# KiCad board PC110.kicad_pcb (continued)
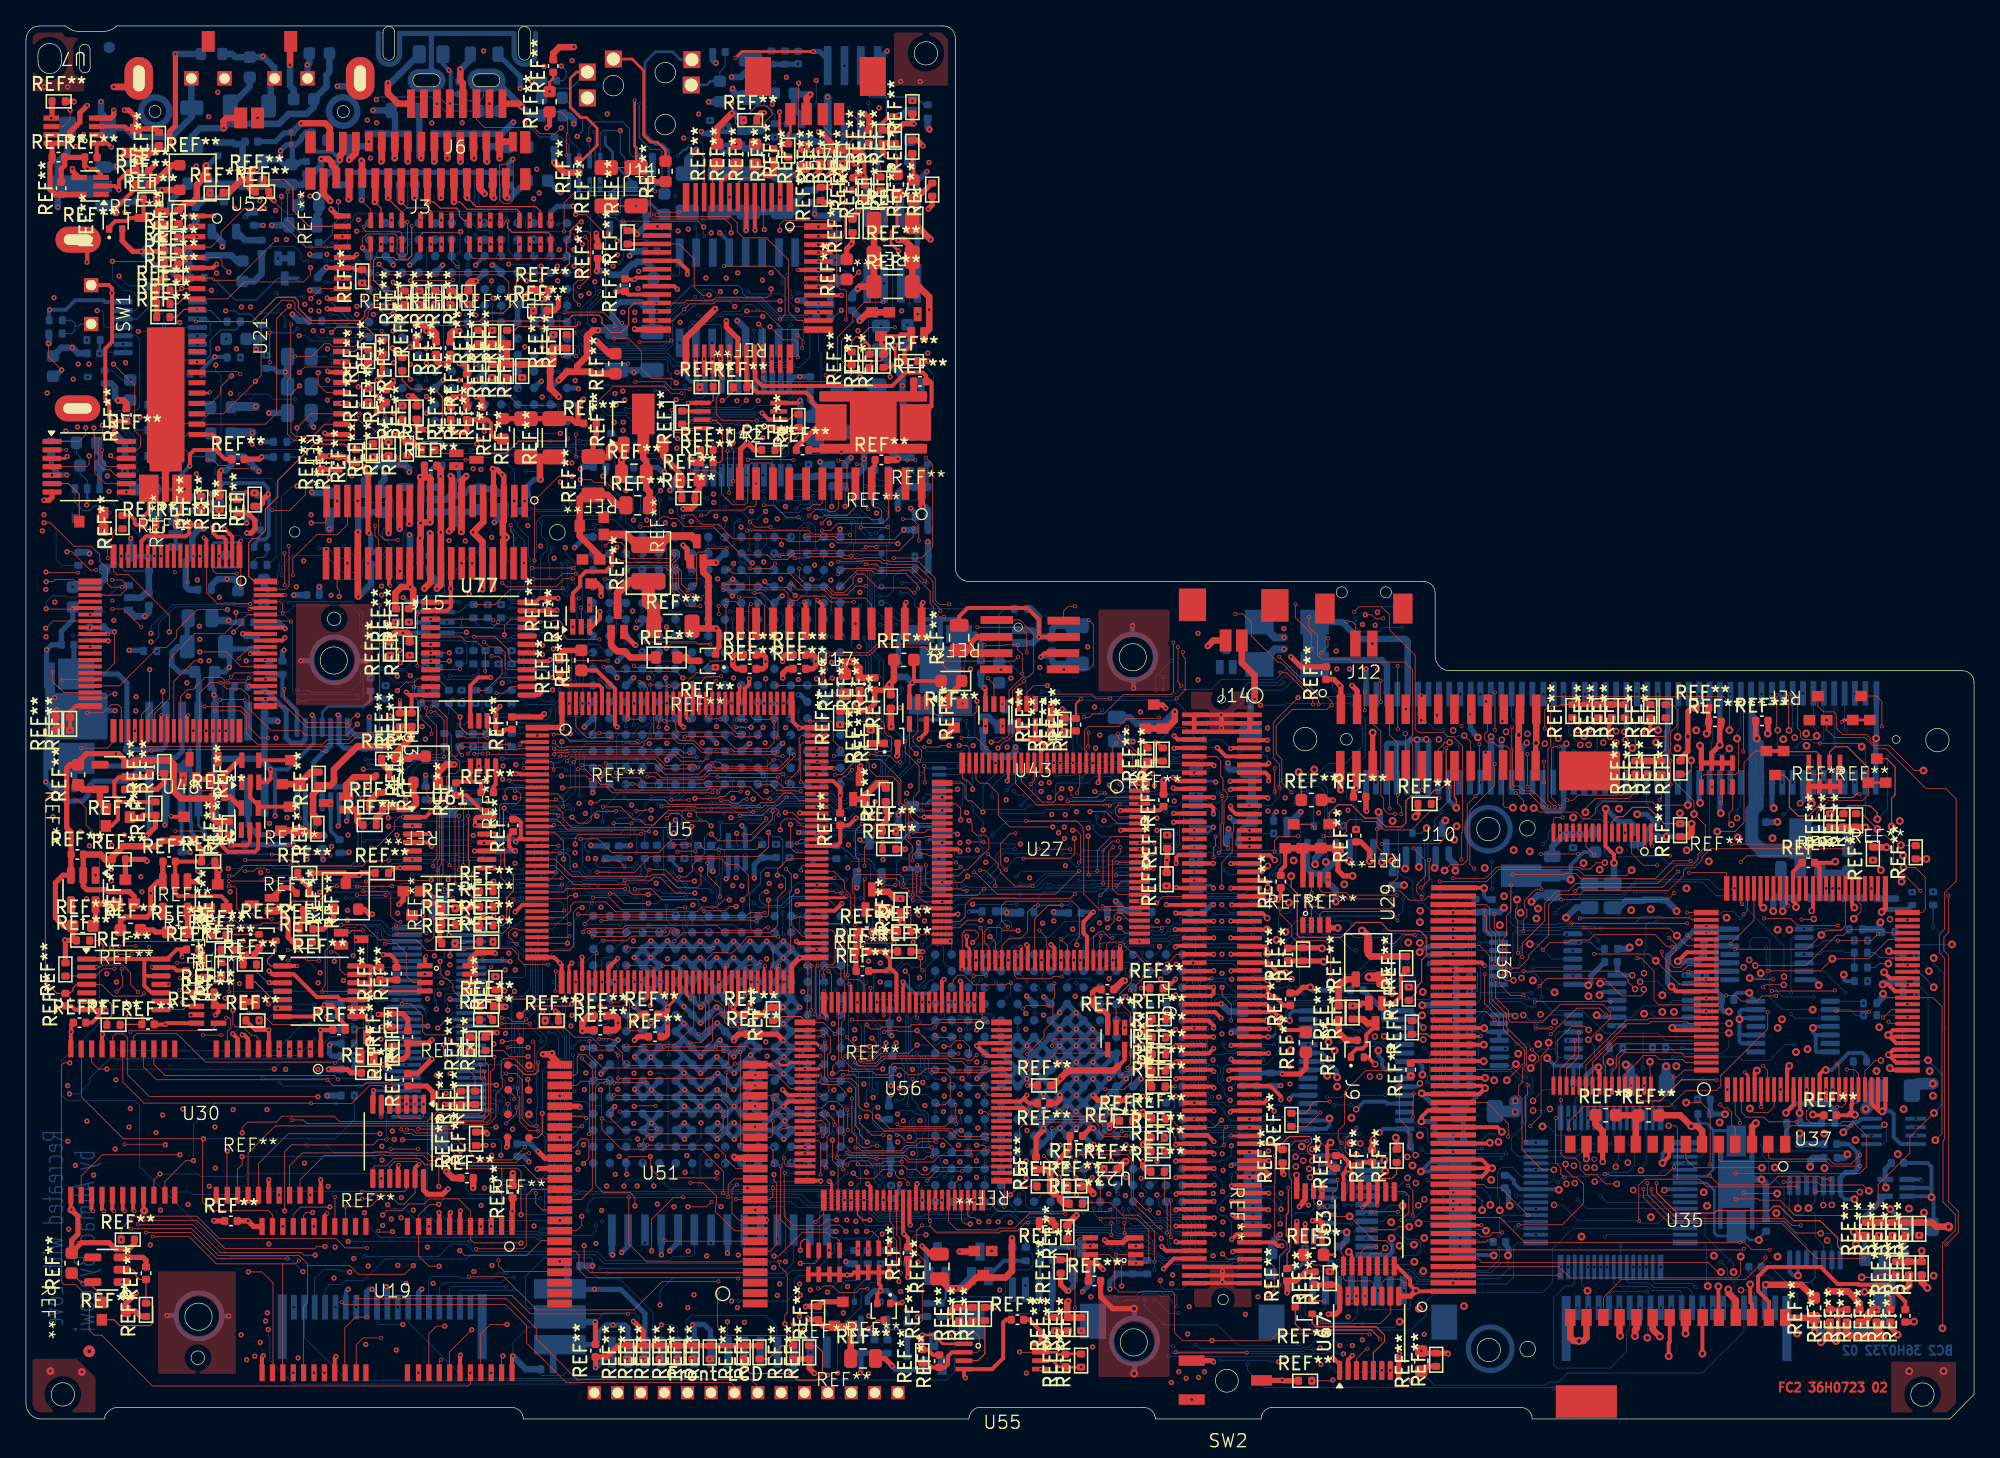
[diagram p0: board, top side]
## Routing (per net, layer and track width the routed paths; a pad name or vN(x,y) marks a point on that pad's centre or on a via; arc(x,y) is an arc through that point) (continued)
LCD_VSS: length 34.7
  FC2 w0.5: v1(23.44,93.87) 22.92,94.39 22.92,95.63 J3.1 ; v1(30.44,97.15) 30.44,98.42 J3.16 ; J3.30 J3.28 36.48,98.42 v1(36.48,97.14) ; v1(35.34,94.42) 34.96,94.8 J3.25 ; v1(25.84,96.97) 25.88,96.93 25.88,95.67 J3.7
  IC1 w0.05: 23.44,95.06 23.51,95.13
  IC1 w0.5: v1(25.84,96.97) 25.84,95.54 ; v1(23.44,93.87) 23.44,95.06
  IC1 w0.7: 30.48,96.37 29.65,95.54 29.48,95.54 ; 30.48,96.37 31.31,95.54 31.33,95.54 ; 30.48,96.37 30.48,95.54 ; 30.48,96.37 30.48,97.11 v1(30.44,97.15) ; 35.45,95.54 35.32,95.41 35.32,94.44 v1(35.34,94.42) ; 35.45,95.54 36.09,95.54 36.48,95.93 v1(36.48,97.14) ; 35.45,95.54 31.33,95.54 ; 30.48,95.54 29.48,95.54 ; 30.48,95.54 31.33,95.54 ; 29.48,95.54 23.92,95.54 23.51,95.13
  BC2 w0.5: REF**#714.1 30.3,100.8 30.3,97.29 v1(30.44,97.15)
M38_COM0: length 110.9
  FC2 w0.05: U48.77 19.58,62.99 19.78,62.79 v2(19.78,62.12)
  FC1 w0.05: v1(18.08,42.11) 17.64,42.55 17.64,44.72 17.76,44.84 17.76,56.28 17.26,56.78 17.03,56.78 16.84,56.97 16.84,57.61 17.55,58.32 17.55,60.53 19.14,62.12 v2(19.78,62.12)
  IC3 w0.05: v1(18.46,7.55) 19.52,7.55 20.79,6.28 26.76,6.28 26.8,6.24 26.94,6.24 27.17,6.01 38.07,6.01 38.9,5.18 44.66,5.18 45.14,4.7 65.41,4.7 66.07,4.04 66.07,3.12 U50.14
  IC4 w0.05: v1(18.08,42.11) 18.02,42.05 18.02,7.71 18.18,7.55 v1(18.46,7.55)
M38_COM1: length 108.7
  FC2 w0.2: U48.76 17.3,62.49 v2(17.22,62.41)
  FC1 w0.05: v2(17.22,62.41) 20.77,62.41 21.63,61.55 21.63,53.88 22.52,52.99 22.52,47.65 23.24,46.93 25.45,46.93 26.5,45.88 26.5,45.23 27.08,44.65 27.08,39.63 27.33,39.38 27.33,38.24 26.54,37.45 26.54,33.72 25.52,32.7 25.52,25.55 25.38,25.41 25.38,20.21 25.64,19.95 25.64,17.76 25.5,17.62 25.5,15.04 25.99,14.55 25.99,6.49 26.17,6.31 v1(26.17,5.74)
  IC3 w0.05: U50.13 65.37,3.97 64.86,4.48 44.95,4.48 44.46,4.97 38.61,4.97 37.79,5.79 26.22,5.79 v1(26.17,5.74)
M38_COM2: length 106.2
  FC2 w0.05: v1(15.99,60.64) 16.64,61.29 16.64,61.57 17.06,61.99 U48.75
  IC2 w0.05: v1(15.99,60.64) 15.99,58.61 16.78,57.82 16.78,45.06 17.45,44.39 17.45,41.79 18.04,41.2 v1(18.04,5.9)
  IC3 w0.05: v1(18.04,5.9) 20.74,5.9 23.71,2.93 41.98,2.93 42.14,3.09 42.18,3.09 42.38,3.29 45.05,3.29 45.06,3.3 58.05,3.3 58.46,2.89 62.7,2.89 U50.12
M38_COM3: length 102.5
  FC2 w0.05: U48.74 20.36,61.49 v2(20.4,61.45)
  FC1 w0.05: U50.11 61.77,2.8 61.54,3.03 38.63,3.03 38.56,2.96 27.39,2.96 25.81,4.54 25.81,14.15 25.31,14.65 25.31,17.73 25.45,17.87 25.45,19.76 25.16,20.05 25.16,25.52 25.33,25.69 25.33,32.89 26.3,33.86 26.3,37.56 27.14,38.4 27.14,39.21 26.87,39.48 26.87,44.54 26.32,45.09 26.32,45.67 25.27,46.72 22.12,46.72 20.47,48.37 20.47,59.2 20.78,59.51 20.78,61.07 v2(20.4,61.45)
M38_P02: length 27.3
  FC2 w0.3: v2(12.49,54.22) 12.39,54.12 U48.52
  FC1 w0.05: v1(14.1,58.43) 14.1,57.1 13.2,56.2 12.35,56.2 12.17,56.02 12.17,55.36 12.49,55.04 v2(12.49,54.22)
  BC1 w0.05: v1(14.1,58.43) 15.33,57.2 19.84,57.2 v11(20.88,56.16)
  BC2 w0.05: v11(20.88,56.16) 21.77,56.16 21.93,56 24.95,56 25.77,56.82 25.77,57.47 26.19,57.89 28.34,57.89 28.54,57.69 29.2,57.69 v1(29.6,57.29)
  BC2 w0.08: v1(29.6,57.29) 29.93,56.96 29.93,55.66 REF**#469.1
M38_P03: length 32.9
  FC2 w0.05: U48.51 11.89,55.66 12.45,56.22 12.87,56.22 13.78,57.13 15.08,57.13 15.26,56.95 15.26,56.46 15.46,56.26 16.62,56.26 17.18,55.7 17.18,54.74 18.85,53.07 21.13,53.07 21.5,52.7 24.69,52.7 v1(25.53,53.54)
  BC1 w0.05: v11(31.07,56.16) 30.97,56.06 30.97,53.17 30.3,52.5 v11(30.3,51.77) ; v1(25.53,53.54) 26.16,52.91 v11(26.16,50.83)
  BC2 w0.05: v11(26.16,50.83) 27.98,50.83 28.17,51.02 28.17,51.57 28.37,51.77 v11(30.3,51.77)
  BC2 w0.2: v11(31.07,56.16) REF**#474.2
M38_P04: length 33.5
  FC2 w0.05: U48.50 11.39,56.84 12.98,58.43 v1(13.45,58.43)
  BC1 w0.05: v11(20.94,55.33) 14.29,55.33 13.45,56.17 v1(13.45,58.43)
  BC2 w0.05: v11(20.94,55.33) 21.59,55.33 21.73,55.47 25.72,55.47 25.96,55.71 25.96,57.35 26.32,57.71 27.49,57.71 28.47,56.73 29.42,56.73 29.75,56.4 29.75,54.8 30.43,54.12 32.36,54.12 32.58,54.34 REF**#860.1
M38_P05: length 38.8
  FC2 w0.2: U48.49 10.89,54.14 v2(10.96,54.21)
  FC1 w0.05: v1(9.63,60.55) 9.98,60.55 10.2,60.33 10.2,54.97 v2(10.96,54.21)
  BC2 w0.05: v1(9.63,60.55) 9.63,61.08 11.31,62.76 15.09,62.76 15.23,62.9 16.08,62.9 16.15,62.83 17.25,62.83 17.46,63.04 17.46,63.22 17.72,63.48 19.4,63.48 19.91,62.97 25.09,62.97 25.94,62.12 25.94,60.69 26.72,59.91 30.17,59.91 30.27,60.01 33.6,60.01 33.96,59.65 33.96,58.27 33.88,58.19 REF**#789.1
M38_P06: length 35
  FC2 w0.2: U48.48 10.39,54.21 v2(10.44,54.26)
  FC1 w0.05: v1(9.63,59.89) 9.63,59.42 9.98,59.07 9.98,54.72 v2(10.44,54.26)
  BC2 w0.05: v1(9.63,59.89) 9.86,59.89 10.2,60.23 10.2,61.3 11.48,62.58 15.15,62.58 15.3,62.73 15.99,62.73 16.09,62.63 17.11,62.63 17.56,62.18 20.19,62.18 20.72,62.71 24.98,62.71 25.71,61.98 25.71,60.6 26.57,59.74 30.95,59.74 31.29,59.4 31.29,58.4 31.77,57.92 REF**#629.1
M38_P10: length 122.9
  FC2 w0.05: v1(10.54,56.08) 10.54,55.32 9.39,54.17 U48.46
  IC1 w0.05: v1(10.54,56.08) 9.43,54.97 9.43,47.64 8.78,46.99 6.81,46.99 5.13,45.31 5.13,45.04 2.33,42.24 2.33,14.07 12.82,3.58 40.59,3.58 42.88,5.87 65.31,5.87 v1(67.81,8.37)
  BC2 w0.4: v1(67.81,8.37) 67.89,8.29 REF**#490.2
M38_P11: length 150.1
  FC2 w0.05: v1(9.53,57.75) 9.53,54.93 8.89,54.29 U48.45
  FC2 w0.5: v1(80.92,15.69) 80.21,14.98 REF**#425.2
  IC1 w0.05: 11.36,3.08 11.98,2.45 41.15,2.45 43.42,4.72 77.08,4.72 80.92,8.56 v1(80.92,15.69) ; 11.36,3.08 1.22,13.21 1.22,44.62 2.96,46.36 2.96,50.53 5.1,52.67 5.1,57.14 5.71,57.75 v1(9.53,57.75) ; 11.36,3.08 11.34,3.09
M38_P12: length 125.3
  FC1 w0.05: v2(8.39,53.04) 8.09,53.35 8.09,55.26 v1(8.49,55.66)
  IC1 w0.05: 9.02,54.57 9.02,54.53 ; 9.02,54.57 9.02,48.48 8.15,47.61 5.77,47.61 3.62,45.46 3.62,44.44 1.94,42.76 1.94,13.78 12.52,3.2 40.74,3.2 42.98,5.44 68.59,5.44 69.53,6.38 69.53,7.05 68.71,7.87 v1(68.66,7.87) ; 9.02,54.57 9.02,54.67 8.49,55.2 v1(8.49,55.66)
  BC2 w0.05: v1(68.66,7.87) 68.68,7.89
  BC2 w0.4: 68.68,7.89 REF**#519.1
M38_P13: length 131.6
  FC2 w0.05: v2(6.99,32.92) 7.45,33.38 7.45,34.08 7.39,34.14 7.39,34.18 7.37,34.2 v2(7.37,34.67) ; v2(8.45,36.46) 8.44,36.45 v2(7.16,36.45) ; U48.43 7.89,51.7 8.15,51.44 v2(9.25,51.44)
  FC1 w0.05: v2(7.16,36.45) 7.37,36.24 v2(7.37,34.67) ; v2(6.99,32.92) 6.28,32.92 5.5,32.14 5.5,20.99 9.76,16.73 9.76,14.61 14.92,9.45 14.92,6.16 16.49,4.59 16.97,4.59 v1(17,4.56) ; v2(8.45,36.46) 8.45,36.86 8.32,36.99 8.32,49.24 9.11,50.03 9.48,50.03 9.95,50.5 9.95,51.61 9.7,51.86 9.39,51.86 9.25,51.72 v2(9.25,51.44)
  BC1 w0.05: v1(17,4.56) 17,3.93 17.85,3.08 57.11,3.08 v11(57.12,3.07)
  BC2 w0.05: v11(57.12,3.07) 57.7,3.07 57.77,3 70.93,3 71.5,3.57 71.5,9.17 71.74,9.41 75.11,9.41 75.47,9.77 75.47,11.25 75.71,11.49 77.25,11.49 77.56,11.8 77.56,12.66 REF**#514.2
  BC2 w0.08: v1(76.97,14.19) 77.01,14.15
  BC2 w0.2: 77.01,14.15 REF**#514.2
M38_P14: length 138.7
  FC2 w0.05: U48.42 7.34,54.8 7.08,55.06 6.57,55.06 5.93,54.42 v2(4.71,54.42)
  FC1 w0.05: v1(5.21,18.79) 5.21,23.84 5.01,24.04 5.01,32.48 4.03,33.46 4.03,37.8 2.97,38.86 2.97,44.84 4.22,46.09 4.22,48.26 4.07,48.41 4.07,49.84 3.6,50.31 3.6,51.84 4.71,52.95 v2(4.71,54.42)
  IC3 w0.05: v1(5.21,18.79) 9.16,14.84 26.22,14.84 26.96,14.1 38.58,14.1 39.92,12.76 44.24,12.76 46.84,15.36 54.47,15.36 55.49,16.38 87.43,16.38 88.08,15.73 89.19,15.73 89.84,15.08 92.11,15.08 v1(92.2,15.17)
  BC1 w0.05: v11(94.51,18.34) 94.51,17.78 93.43,16.7 93.43,15.53 93.07,15.17 v1(92.2,15.17)
M38_P15: length 162.3
  FC2 w0.05: U48.41 6.74,52.18 6.26,51.7 v2(4.26,51.7)
  FC1 w0.05: v2(4.26,51.7) 4.26,48.51 4.5,48.27 4.5,46.05 3.18,44.73 3.18,39.06 4.28,37.96 4.28,34.02 5.09,33.21 6.51,33.21 v1(6.97,33.67)
  IC2 w0.05: v1(63.28,10.21) 64.13,10.21 65.3,11.38 65.3,14.33 66.54,15.57 70.7,15.57 71.66,14.61 76.48,14.61 77.12,15.25 79.48,15.25 81.34,13.39 84.71,13.39 85.33,12.77 85.33,10.16 86.4,9.09 88.62,9.09 90.42,7.29 94.15,7.29 95.65,8.79 v1(95.65,9.54) ; v1(24.45,33.79) 24.49,33.75 24.49,32.74 24.33,32.58 24.33,15.34 29.22,10.45 v1(29.28,10.45)
  IC3 w0.05: v1(29.28,10.45) 29.79,10.96 31.88,10.96 32.32,10.52 37.61,10.52 37.96,10.87 57.12,10.87 57.35,11.1 61.25,11.1 62.14,10.21 v1(63.28,10.21) ; v1(24.45,33.79) 23.17,35.07 21.73,35.07 19.77,33.11 18.33,33.11 16.63,34.81 8.11,34.81 v1(6.97,33.67)
  BC1 w0.05: v11(99.22,17.26) 99.81,17.85 99.81,19.21 v11(100.23,19.64)
  BC2 w0.05: v11(99.22,17.26) 99.22,16.25 98.85,15.88 97.79,15.88 97.47,15.56 97.47,13.31 96.57,12.41 96.57,9.72 96.38,9.53 95.66,9.53 v1(95.65,9.54)
M38_P16: length 139.4
  FC2 w0.05: v2(3.77,47.7) 4.02,47.7 4.63,47.09 4.63,45.77 5.39,45.01 v1(7.57,45.01)
  FC2 w0.3: v2(3.4,53.06) REF**#192.2 3.4,54.5 3.84,54.94 U48.40
  FC1 w0.05: v2(3.4,53.06) 3.36,53.02 3.36,48.11 v2(3.77,47.7)
  IC3 w0.05: v3(106.47,36.71) 105.59,36.71 105.25,36.37 100.59,36.37 99.9,37.06 98.6,37.06 97.48,38.18 94.39,38.18 93.97,37.76 90.43,37.76 89.8,37.13 86.71,37.13 86.55,36.97 81.48,36.97 81.44,37.01 79.93,37.01 79.41,37.53 77.13,37.53 76.8,37.2 76.13,37.2 75.4,37.93 71.56,37.93 69.38,40.11 66.09,40.11 63.78,37.8 46.15,37.8 45.98,37.97 38.83,37.97 38.55,38.25 30.43,38.25 29.97,38.71 29.97,39.98 25.37,44.58 24.13,44.58 23.92,44.79 19.93,44.79 18.4,43.26 11.8,43.26 11.4,43.66 8.12,43.66 7.57,44.21 v1(7.57,45.01)
  BC1 w0.05: v11(112.03,49.06) 112.03,49.06 110.79,47.83 110.79,46.9 110.49,46.6 109.9,46.6 109.74,46.76 v11(109.11,46.76) ; v3(106.47,36.71) 106.47,39.04 107.03,39.6 v11(108.3,39.6)
  BC2 w0.05: v11(109.11,46.76) 108.48,46.13 108.48,44.83 107.98,44.33 107.98,41.83 108.3,41.51 v11(108.3,39.6)
M38_P17: length 132.6
  FC2 w0.05: U48.39 6.16,55.54 6.49,55.87 v1(6.85,55.87)
  FC1 w0.05: v1(75,9.94) 75,12.33 v2(74.38,12.95)
  IC1 w0.05: v1(6.85,55.87) 8.09,54.64 8.09,49.11 8.1,49.09 7.17,48.16 5.7,48.16 1.8,44.26 1.8,13.65 12.4,3.05 40.88,3.05 43.09,5.26 68.67,5.26 70.19,6.78 70.19,7.94 72.19,9.94 v1(75,9.94)
M38_P20: length 40
  FC2 w0.05: v2(2.05,57.56) 2.05,56.83 2.46,56.42 2.5,56.42 2.93,55.99 U48.38
  FC1 w0.05: v1(21.96,69.68) 21.96,70.26 22.44,70.74 v2(23.96,70.74) ; v1(1.26,68.44) 1.26,66.6 3.01,64.85 3.01,58.9 2.05,57.94 v2(2.05,57.56)
  IC3 w0.05: v1(21.96,69.68) 9.54,69.68 8.35,68.49 1.31,68.49 v1(1.26,68.44)
M38_P21: length 25
  FC2 w0.05: v1(24.13,63.39) 24.13,63.87 24.01,63.99 24.01,64.03 23.96,64.08 J15.39 ; v1(15.52,62.37) 13.2,62.37 11.59,60.76 11.59,60.22 10.81,59.44 10.15,59.44 7.2,56.49 U48.37
  IC3 w0.05: v1(15.52,62.37) 15.86,62.71 18.9,62.71 19.11,62.92 19.15,62.92 19.23,63 23.74,63 v1(24.13,63.39)
M38_P22: length 147.9
  FC2 w0.05: U48.36 2.83,56.99 v2(2.76,56.92) ; 2.31,53.4 2.28,53.37
  FC2 w0.3: v2(2.84,53.4) 2.31,53.4
  FC2 w0.4: v2(2.37,54.67) 2.28,54.58 REF**#351.2 REF**#351.1
  FC1 w0.05: v2(2.76,56.92) 2.76,55.06 v2(2.37,54.67) ; v1(3.21,25.69) 3.21,26.4 2.89,26.72 2.89,35.44 2.2,36.13 2.2,45.38 2.88,46.06 2.88,53.36 v2(2.84,53.4)
  IC3 w0.05: v1(3.21,25.69) 26.35,25.69 26.56,25.9 27.6,25.9 27.8,25.7 33.93,25.7 34.64,24.99 40.41,24.99 40.59,24.81 40.63,24.81 40.64,24.8 52.67,24.8 52.68,24.79 64.11,24.79 64.96,25.64 64.96,26.67 65.71,27.42 69.2,27.42 69.41,27.21 72.01,27.21 72.51,26.71 88.41,26.71 89.82,28.12 92.18,28.12 92.32,28.26 94.26,28.26 94.83,27.69 96.83,27.69 97.03,27.89 98.4,27.89 99.36,26.93 99.36,26.62 100.03,25.95 100.65,25.95 v3(100.99,25.61)
  BC1 w0.05: v3(100.99,25.61) 101.01,25.59 101.01,24.67 101.1,24.58 101.1,21.05 100.81,20.76 100.81,16.31 v11(100.23,15.74)
M38_P23: length 5.7
  FC2 w0.05: U48.35 6.08,57.49 6.82,58.23 6.82,60.66 v1(6.83,60.66)
  BC2 w0.08: 6.81,60.68 v1(6.83,60.66)
  BC2 w0.4: REF**#707.1 6.06,61.01 6.39,60.68 6.81,60.68
M38_P27: length 156.5
  FC2 w0.05: v2(4.03,65.22) 1.59,65.22 v1(1.54,65.27)
  FC1 w0.05: v2(4.03,65.22) 4.38,64.87 4.38,60.05 v2(4.94,59.49)
  IC2 w0.05: v1(3.81,19.54) 3.81,29.32 3.94,29.45 3.94,30.14 3.87,30.21 3.87,62.94 v1(1.54,65.27)
  IC3 w0.05: v1(96.68,17.39) 96.3,17.39 95.78,17.91 94.94,17.91 94.08,18.77 90.56,18.77 89.82,18.03 86.39,18.03 86.33,17.97 85.48,17.97 85.42,18.03 74.86,18.03 73.99,17.16 52.5,17.16 51.32,15.98 46.14,15.98 44.9,17.22 33.36,17.22 33.29,17.15 32.16,17.15 32.01,17.3 29.38,17.3 29.12,17.56 24.45,17.56 24.05,17.16 8.11,17.16 5.73,19.54 v1(3.81,19.54)
  BC1 w0.05: v11(100.23,18.34) 100.23,17.81 99.36,16.94 97.13,16.94 v1(96.68,17.39)
M38_P34: length 120.6
  FC1 w0.05: v1(13.39,60.08) 13.93,60.08 14.75,59.26 14.75,56.49 15.39,55.85 v2(15.39,53.04)
  IC3 w0.05: v1(13.39,60.08) 17.42,60.08 19.37,62.03 21.22,62.03 22.74,60.51 28.34,60.51 28.72,60.13 34.18,60.13 36.57,57.74 41.05,57.74 42.55,56.24 64.83,56.24 65.83,57.24 68.67,57.24 68.88,57.03 73.98,57.03 74.54,57.59 76.15,57.59 78.08,55.66 80.45,55.66 81.84,54.27 85,54.27 85.95,53.32 91.42,53.32 91.94,52.8 93.14,52.8 95.09,54.75 v1(95.09,55.01)
  BC1 w0.05: v11(10.08,59.18) 10.78,59.88 11.39,59.88 11.59,60.08 v1(13.39,60.08) ; v11(102.12,55.12) 104.59,55.12 106.22,53.49 108.74,53.49 109.55,54.3 112.23,54.3 112.83,54.9 v11(112.83,55.86)
  BC2 w0.05: v11(102.12,55.12) 97.06,55.12 96.95,55.01 v1(95.09,55.01)
M38_P35: length 137.5
  FC2 w0.05: v2(16.03,36.77) 16.02,36.78 v2(14.81,36.78) ; v2(16.03,35.51) 16.01,35.49 v1(16.01,32.29)
  FC1 w0.05: v2(16.03,36.77) v2(16.03,35.51) ; v2(14.81,36.78) 14.81,37.24 14.92,37.35 14.92,38.86 14.51,39.27 14.51,41.4 14.28,41.63 14.28,51.63 14.89,52.24 v2(14.89,53.04)
  IC3 w0.05: v5(103.9,29.47) 103.36,29.47 100.97,31.86 96.13,31.86 95.85,31.58 91.63,31.58 89.29,29.24 87.03,29.24 85.75,27.96 72.96,27.96 72.85,27.85 70.67,27.85 70.5,28.02 64.35,28.02 63.71,28.66 56.65,28.66 56.54,28.78 44.65,28.78 43.28,30.14 43.28,32.13 42.71,32.7 40.19,32.7 38.65,31.16 29.9,31.16 28.56,32.5 27.02,32.5 26.68,32.84 16.56,32.84 v1(16.01,32.29)
  BC1 w0.05: v5(103.9,29.47) 103.9,29.02 104.07,28.85 104.38,28.85 106.23,27 107.75,27 108.26,26.49 108.26,18 107.99,17.73 106.6,17.73 v11(106.23,17.36)
  BC2 w0.05: v11(106.23,17.36) 105.77,17.36 105.6,17.19 U14.20
M38_P36: length 127.1
  FC1 w0.05: v2(14.39,53.04) 14.39,52.29 14.1,52 14.1,41.4 14.29,41.21 14.29,37.39 14.19,37.29 14.19,35.05 13.37,34.23 13.37,30.82 14.33,29.86 14.33,24.9 15.39,23.84 v1(15.96,23.84)
  IC3 w0.05: v5(102.78,21.22) 102.07,21.93 96.91,21.93 96.81,21.83 95.88,21.83 95.27,22.44 94.02,22.44 93.74,22.72 90.35,22.72 90.06,22.43 84.22,22.43 83.62,21.83 68.73,21.83 68.14,22.42 47.76,22.42 47.45,22.73 47.45,23.15 47.13,23.47 47.06,23.47 47.05,23.46 46.45,23.46 46.42,23.43 46.39,23.43 45.92,22.96 39.23,22.96 38.84,23.35 16.45,23.35 v1(15.96,23.84)
  BC2 w0.05: v5(102.78,21.22) 102.23,21.77 101.58,21.77 101.16,21.35 101.16,20.85 101.45,20.56 101.45,20.38 101.44,20.37 101.44,19.1 102.05,18.49 U14.22
M38_P41: length 61.8
  FC2 w0.05: U48.23 7.28,63.49 7.73,63.94 7.73,64.3 7.37,64.66 v4(6.64,64.66)
  FC1 w0.05: v2(57.86,55.15) 57.86,55.56 57.24,56.18 54.71,56.18 54.5,56.39 v1(54.5,57.11)
  IC3 w0.05: v1(54.5,57.11) 52.9,58.71 47.41,58.71 45.93,60.19 43.05,60.19 41.84,61.4 41.8,61.4 41.71,61.49 40.2,61.49 39.93,61.22 34.87,61.22 34.58,61.51 28.38,61.51 25.29,64.6 21.72,64.6 20.2,66.12 11.59,66.12 10.13,64.66 v4(6.64,64.66)
M38_P43: length 68.9
  FC2 w0.05: v1(1.55,64.52) 2.07,64.52 2.24,64.69 3.67,64.69 3.82,64.54 U48.21
  FC1 w0.05: v2(58.36,55.15) 58.36,56.48 58.71,56.83 58.71,59.06 v1(58.2,59.57)
  IC3 w0.05: 51.28,59.97 52.21,59.04 57.67,59.04 v1(58.2,59.57) ; 51.28,59.97 47.67,59.97 47.21,60.43 46.61,60.43 46.41,60.63 43.17,60.63 42.11,61.69 31.35,61.69 27.99,65.05 21.68,65.05 20.44,66.29 11.43,66.29 10.49,65.35 2.45,65.35 1.62,64.52 v1(1.55,64.52) ; 51.28,59.97 51.3,59.97
M38_P44: length 178.2
  FC2 w0.05: v1(11.04,60.65) 11.04,61.94 7.9,65.08 7,65.08 6.74,65.34 U48.20
  IC1 w0.05: v1(16.57,6.48) 16.64,6.55 22.46,6.55 23.93,8.02 52.78,8.02 53.76,7.04 57.76,7.04 58.08,6.72 59.16,6.72 59.48,6.4 62.03,6.4 64.71,9.08 64.71,9.73 65.57,10.59 v1(67.23,10.59)
  IC2 w0.05: v1(67.23,10.59) 67.23,11.08 67.25,11.1 66.89,11.46 66.89,14.68 67.62,15.41 70.31,15.41 71.34,14.38 76.52,14.38 77.23,15.09 79.36,15.09 81.24,13.21 83.15,13.21 84,12.36 84,9.39 84.47,8.93 85.7,8.93 85.73,8.89 85.89,8.89 89.3,5.48 v1(99.68,5.48) ; v1(16.57,6.48) 16.57,16.88 14.8,18.65 12.54,18.65 11.29,19.9 11.29,36.27 12.35,37.33 12.35,46.41 11.19,47.57 11.19,60.5 v1(11.04,60.65)
  BC1 w0.05: v11(101.57,16.48) 101.57,15.98 100.1,14.51 100.1,10.17 99.68,9.75 v1(99.68,5.48)
  BC2 w0.05: v11(101.57,16.48) 101.63,16.54 U14.19
M38_P45: length 7.7
  FC1 w0.05: v2(13.5,70.09) 11.78,70.09 8.9,67.21 7.93,67.21 7.34,66.62 v2(7.34,66.49)
M38_P46: length 141
  FC2 w0.05: v2(63.78,62.96) 62,62.96 61.55,63.41 59.72,63.41 59.39,63.08 58.92,63.08 58.7,63.3 58.7,63.6 58.41,63.89 v2(53.72,63.89) ; v2(7.4,64.1) 6.54,64.1 6.26,64.38 6.26,65.53 5.69,66.1 5.69,66.6 5.03,67.26 3.69,67.26 1.87,69.08 1.4,69.08 v1(1.39,69.07) ; v2(64.68,65.87) 65.52,65.87 65.77,65.62 68.19,65.62 v2(69.26,64.55) ; v2(42.17,65.58) 38.98,65.58 v2(38.97,65.59) ; v2(44.58,64.71) 45.35,64.71 46.39,65.75 49.44,65.75 50.07,65.12 50.07,63.95 50.85,63.17 v2(51.95,63.17)
  FC1 w0.05: v2(51.95,63.17) 53,63.17 v2(53.72,63.89) ; v1(102.94,61.22) 102.92,61.24 102.23,61.24 102.17,61.18 102.16,61.19 98.42,61.19 97.66,61.95 97.09,61.95 96.96,62.08 94.35,62.08 93.66,61.39 92.33,61.39 92.13,61.59 82.65,61.59 82.35,61.29 75.47,61.29 74.89,60.71 73.17,60.71 72.47,61.41 70.66,61.41 69.73,62.34 69.73,64.08 v2(69.26,64.55) ; v2(63.78,62.96) 63.78,64.97 v2(64.68,65.87) ; v2(42.17,65.58) 42.54,65.58 43.41,64.71 v2(44.58,64.71) ; v2(7.4,64.1) 7.4,65.47 7.89,65.96 v2(7.89,66.49) 8.25,66.49 9.24,65.5 11.95,65.5 12.8,64.65 12.8,64.43 13.12,64.11 15.8,64.11 16.33,64.64 20.92,64.64 21.28,65 27.73,65 27.86,65.13 28.09,65.13 28.61,65.65 30.87,65.65 31.48,65.04 36.64,65.04 37.19,65.59 38.91,65.59 38.95,65.63
  BC1 w0.05: v11(112.03,55.86) 112.03,54.69 111.87,54.53 109.41,54.53 108.58,53.7 106.62,53.7 102.61,57.71 102.61,60.89 v1(102.94,61.22)
  BC2 w0.05: v1(1.39,69.07) 1.84,69.07 2.32,68.59 2.32,66.23 2.77,65.78 REF**#591.2
M38_P50: length 14.1
  FC2 w0.3: U48.16 8.89,67.65 9.26,68.02 10,68.02 ; 10,68.02 12.31,68.02 12.57,68.28 REF**#294.2 13.4,68.91 v1(13.7,68.61) ; 10,68.02 10,68.21 9.99,68.22 REF**#107.2
  BC2 w0.5: REF**#497.2 12.59,63.9 12.32,64.17 12.32,66.08 12.82,66.58 12.82,68.05 13.38,68.61 v1(13.7,68.61)
M38_P51: length 7
  FC1 w0.05: v2(14.91,70.09) 13.85,69.03 12.01,69.03 10.54,67.56 10.48,67.56 v2(9.39,66.47)
M38_P52: length 19.9
  FC2 w0.05: v2(20.56,65.02) 20.56,66.31 22.4,68.15 24,68.15 24.76,68.91 J15.18
  FC1 w0.05: v2(20.56,65.02) 17.39,65.02 17.17,64.8 16.13,64.8 15.65,65.28 12.95,65.28 12.19,66.04 10.34,66.04 v2(9.89,66.49)
M38_P53: length 15.1
  FC1 w0.05: v2(24.76,65.94) 24.02,65.94 23.46,65.38 21,65.38 20.9,65.48 13.11,65.48 12.1,66.49 v2(10.39,66.49)
M38_P57: length 49.8
  FC2 w0.05: v2(14.96,55.43) 16.81,55.43 v2(16.85,55.39) ; v2(16.89,43.07) 20.66,43.07 21.13,42.6 25.92,42.6 26.36,43.04 v2(27.95,43.04) ; U48.9 12.46,66.42 v2(12.46,64.47)
  FC1 w0.05: v1(27.91,46.33) 28.33,46.33 28.56,46.1 28.56,45.76 27.95,45.15 v2(27.95,43.04) ; v2(16.85,55.39) 16.85,43.11 v2(16.89,43.07) ; v2(12.46,64.47) 12.46,60.17 13.1,59.53 13.75,59.53 14.59,58.69 14.59,56.24 14.96,55.87 v2(14.96,55.43)
  BC2 w0.05: REF**#502.3 34.36,47.24 34.08,46.96 34.08,46.59 33.56,46.07 28.99,46.07 28.73,46.33 v1(27.91,46.33)
M38_P60: length 37.9
  FC1 w0.05: v2(12.89,66.49) 13.44,67.04 15.46,67.04 16.23,67.81 16.23,70.76 16.62,71.15 16.62,76.31 17.08,76.77 31.45,76.77 33.8,74.42 36.28,74.42 38.01,72.69 38.01,71.14 v2(38.41,70.74)
M38_P61: length 33.4
  FC1 w0.05: v2(37.61,70.74) 37.61,72.53 35.94,74.2 32.85,74.2 31.45,75.6 26.56,75.6 26.45,75.49 22.48,75.49 19.33,72.34 19.33,68.41 17.75,66.83 13.73,66.83 v2(13.39,66.49)
M38_P62: length 139.5
  FC2 w0.05: v2(62.76,90.94) 63.04,91.22 63.04,95.6 63.18,95.74 63.18,95.96 63.48,96.26 63.48,98.43 63.69,98.64 64.02,98.64 64.23,98.85 64.23,99.92 63.59,100.56 J17.4 ; U48.6 13.89,63.7 14.78,62.81 v2(17.26,62.81) ; 16.25,70.86 REF**#50.2 ; v2(42.36,65.15) 41.33,65.15 40.91,64.73 v2(39.08,64.73) ; v2(58.04,66.53) 58.68,66.53 59.05,66.9 67.24,66.9 68.34,68 v2(68.34,68.64) ; v2(53.35,62.65) 53.37,62.63 v2(53.37,62.03) ; v2(51.94,62.64) 50.93,62.64 49.83,63.74 49.83,65.08 49.32,65.59 46.56,65.59 45.08,64.11 v2(44.97,64.11)
  FC2 w0.3: v2(15.79,70.86) 16.25,70.86 ; v4(13.69,67.92) 13.89,67.72 U48.6
  FC1 w0.05: 63.03,90.31 63.03,90.35 ; 63.03,90.31 63.03,90.17 64.52,88.69 64.52,86.38 63.63,85.49 63.63,79.99 64.39,79.23 66.95,79.23 67.41,78.77 ; 63.03,90.31 63.03,90.66 62.76,90.93 ; 67.41,78.77 69,77.18 69,76.06 ; 67.41,78.77 67.46,78.72 ; 68.34,68.65 69.45,69.77 69.45,72.64 69.45,72.64 69.45,72.97 68.95,73.48 68.95,74.24 69,74.29 69,76.06 ; v1(14.77,82.49) 15.29,81.97 15.29,80.24 16.27,79.26 16.27,77.17 15.79,76.69 v2(15.79,70.86) ; v2(51.94,62.64) 53.34,62.64 v2(53.35,62.65) ; v2(58.04,66.53) 58.04,65.78 57.33,65.07 57.33,62.41 57.02,62.1 54.38,62.1 54.31,62.03 v2(53.37,62.03) ; 69,76.06 69,76.01 ; v2(39.08,64.73) 39.04,64.77 28.2,64.77 28.06,64.63 22.11,64.63 21.3,63.82 21.3,63.28 20.83,62.81 v2(17.26,62.81) ; v2(44.97,64.11) 43.4,64.11 v2(42.36,65.15)
  IC4 w0.05: v4(13.69,67.92) 15.2,67.92 15.82,68.54 15.82,73.41 15.17,74.06 15.17,76.04 14.04,77.16 14.04,82.39 14.15,82.49 v1(14.77,82.49)
M38_P63: length 26
  FC2 w0.05: U48.5 14.39,65.4 14.65,65.14 v2(16.24,65.14)
  FC1 w0.05: v2(38.36,65.94) 36.87,65.94 36.34,65.41 31.66,65.41 31.16,65.91 28.07,65.91 27.36,65.2 20.88,65.2 20.75,65.33 17.09,65.33 16.9,65.14 v2(16.24,65.14)
M38_P64: length 19.4
  FC1 w0.05: v2(33.56,65.94) 32.8,66.7 23.96,66.7 23.39,66.13 v1(21.39,66.13) 21.37,66.13 21.11,66.39 15.81,66.39 15.71,66.49 v2(14.89,66.49)
M38_P65: length 143.4
  FC2 w0.2: v1(69.04,6.47) 69.93,6.47 70.61,5.79 U55.1
  FC2 w0.3: U48.3 15.39,67.76 15.2,67.95 14.75,67.95 14.4,68.3 v1(14.4,68.68) ; REF**#44.2 69.87,4.93 69.46,5.34 REF**#311.2 v1(69.04,6.47)
  IC1 w0.05: v1(69.04,6.47) 69.03,6.46 67.91,6.46 67.1,5.65 42.9,5.65 40.62,3.37 12.72,3.37 2.14,13.95 2.14,42.59 4.15,44.6 4.51,44.6 4.81,44.9 4.81,45.27 6.75,47.21 8.6,47.21 9.19,47.8 9.19,56.07 10.69,57.57 10.69,65.51 12.75,67.57 14.08,67.57 14.4,67.89 v1(14.4,68.68)
M38_P66: length 152.9
  FC2 w0.05: U55.7 76.57,5.14 v1(76.54,5.17)
  FC2 w0.2: U55.7 79.36,5.14 79.52,4.98 REF**#325.2 80.1,5.01 REF**#210.2
  FC2 w0.3: U48.2 15.89,68 v1(15.29,68.6)
  IC1 w0.05: v1(76.54,5.17) 75.76,5.17 75.5,4.91 43.3,4.91 41.06,2.67 12.11,2.67 1.4,13.38 1.4,44.51 3.25,46.36 3.25,50.4 5.4,52.55 5.4,56.86 5.83,57.29 9.87,57.29 10.49,57.91 10.49,66.01 13.62,69.14 14.75,69.14 v1(15.29,68.6)
M38_P67: length 135.7
  FC2 w0.05: U48.1 16.54,66.39 v2(16.54,64.06)
  FC2 w0.3: v2(16.56,67.68) 16.44,67.56 U48.1
  FC1 w0.05: v2(17.61,71.36) 17.55,71.3 17.55,68.23 17,67.68 v2(16.56,67.68) ; v2(16.54,64.06) 16.24,64.06 15.89,63.71 14.73,63.71 13.36,62.34 v1(13.36,61.09)
  IC3 w0.05: v1(13.36,61.09) 17.83,61.09 19.58,62.84 25.52,62.84 27.55,60.81 28.51,60.81 28.82,61.12 34.52,61.12 34.71,60.93 39.56,60.93 40.58,59.91 45.82,59.91 47.27,58.46 52.46,58.46 54.32,56.6 62.91,56.6 64.29,57.98 71.81,57.98 72.14,58.31 76.94,58.31 77.83,57.42 79.84,57.42 80.16,57.1 80.21,57.1 82.31,55 v1(82.31,54.87)
  BC1 w0.05: v11(111.27,50.93) 111.27,52.88 110.64,53.51 109.58,53.51 v11(109.18,53.11) ; v1(82.31,54.87) 83,55.56 86.42,55.56 v11(87.02,56.16) ; v11(95.04,56.16) 95.03,56.16 92.78,58.41 v11(88.23,58.41) ; v11(107.26,54.36) 105.72,55.9 105.72,60.11 104.14,61.69 103.89,61.69 103.58,62 103.58,62.26 103.26,62.58 99.3,62.58 97.87,61.15 97.87,57.87 v11(97.55,57.55)
  BC2 w0.05: v11(107.26,54.36) 108.51,53.11 v11(109.18,53.11) ; v11(111.27,50.93) 111.23,50.89 J8.61 ; v11(88.23,58.41) 87.02,57.2 v11(87.02,56.16) ; v11(95.04,56.16) 96.85,56.16 97.55,56.86 v11(97.55,57.55)
M38_P70: length 292.2
  FC2 w0.05: v2(31.24,52.8) 31.24,53.2 30.28,54.16 v2(30.28,54.73) ; v2(35.84,34.83) 35.29,34.28 34.22,34.28 ; v2(25.5,41.04) 25.51,41.05 v2(28.21,41.05) ; v2(32.56,40.48) 32.05,40.48 31.84,40.69 31.84,40.74 31.83,40.75 31.83,42.57 31.99,42.73 31.99,47.23 32.2,47.44 v2(32.2,47.85) 31.12,47.85 30.88,48.09 v2(30.88,48.73) ; v1(1.52,60.93) 2.08,61.49 U48.27 ; v2(31.06,39.19) 31.06,38.6 30.49,38.03 v2(28.5,38.03)
  FC2 w0.08: 17.39,39.66 20.34,39.66 20.58,39.9 22.54,39.9 23.69,41.05 v2(23.94,41.05) ; 97.47,23.56 98.53,23.56 98.92,23.95 98.92,24.14 99.24,24.46 v2(100.41,24.46)
  FC1 w0.05: v2(23.48,47.36) 23.47,47.37 23.47,54.22 23.98,54.73 v2(30.28,54.73) ; v2(32.2,47.85) 32.65,47.4 32.65,46.65 33.14,46.16 36.8,46.16 38.23,44.73 38.23,42.72 37.61,42.1 37.45,42.1 36.5,41.15 36.5,39.24 36.67,39.07 v1(36.67,38.63) 36.67,38.01 36.53,37.87 36.53,35.72 36.03,35.23 36.03,35.02 v2(35.84,34.83) 36.27,34.83 36.53,34.57 36.53,33.76 36.38,33.61 36.38,32.71 36.78,32.31 37.06,32.31 37.41,31.96 37.41,27.63 36.65,26.87 36.65,26.38 36.86,26.17 v1(37.34,26.17) ; v2(30.88,48.73) 31.23,49.08 31.23,50.04 31.1,50.17 31.1,51.05 31.24,51.19 v2(31.24,52.8) ; v2(23.94,41.05) 25.49,41.05 v2(25.5,41.04) ; v2(32.56,40.48) 32.56,40.07 31.68,39.19 v2(31.06,39.19) ; v2(28.21,41.05) 28.21,40.34 28.26,40.29 28.26,38.65 28.5,38.41 v2(28.5,38.03) ; v2(100.41,24.46) 113.81,24.46 114.3,24.95 115.53,24.95 115.98,25.4 115.98,26.01 115.31,26.68 115.31,27.6 115.53,27.82 v3(116.02,27.82)
  IC3 w0.05: 31.81,41.14 30.94,41.14 26.5,45.58 24.54,45.58 24.15,45.19 19.84,45.19 18.5,43.85 14.29,43.85 13.87,44.27 8.59,44.27 8.41,44.45 8.41,45.02 8.4,45.02 7.96,45.46 7.41,45.46 7.11,45.16 7.11,42.18 7.08,42.15 7.08,42.1 6.57,41.59 v1(6.57,41.46) ; 31.81,41.14 31.81,41.73 32.26,42.18 32.75,42.18 33.96,40.97 42.9,40.97 43.88,39.99 44.92,39.99 45.75,39.16 55.5,39.16 55.84,39.5 55.84,40.71 55.48,41.07 v1(55.14,41.07) ; 31.81,41.14 31.81,40.01 32.34,39.48 36.35,39.48 36.66,39.17 36.66,38.64 v1(36.67,38.63) ; v1(37.34,26.17) 37.96,25.55 41.39,25.55 41.95,25 63.6,25 63.88,25.28 63.88,25.32 63.89,25.33 63.89,26.82 64.67,27.6 69.39,27.6 69.55,27.44 72.22,27.44 72.78,26.88 87.32,26.88 88.49,28.05 88.75,28.05 91.32,30.62 91.7,30.62 91.83,30.49 94.59,30.49 95.28,31.18 96.11,31.18 96.43,31.5 100.09,31.5 102.69,28.9 106.42,28.9 108.18,27.14 112.65,27.14 114.2,28.69 115.15,28.69 v3(116.02,27.82)
  BC1 w0.05: v1(1.52,60.93) 3.05,60.93 v11(3.6,60.38) ; v11(5.33,59.1) 5.33,42.14 6.01,41.46 v1(6.57,41.46)
  BC2 w0.05: v11(5.33,59.1) 5.33,59.53 4.48,60.38 v11(3.6,60.38) ; 117.82,28.55 117.82,28.14 118.08,27.88 119.2,27.88 ; 117.82,28.55 117.77,28.5 116.68,28.5 116.68,28.48 v3(116.02,27.82) ; 117.82,28.55 117.82,29.58 118.07,29.83 119.2,29.83
M38_P71: length 50.4
  FC2 w0.05: REF**#346.2 32.07,74.42 31.83,74.66 v2(31.5,74.66)
  FC2 w0.2: REF**#160.3 3.03,74.03 v1(3.17,74.17)
  FC1 w0.05: v1(23.35,67.7) 26.67,67.7 27.19,68.22 27.19,73.33 27.57,73.71 30.55,73.71 v2(31.5,74.66) ; v1(5.01,66.03) 4.61,65.63 4.61,62.41 4.94,62.08 v2(4.94,61.99)
  IC3 w0.05: v1(5.01,66.03) 10.39,66.03 10.96,66.6 22.91,66.6 23.37,67.06 23.35,67.08 v1(23.35,67.7)
  IC4 w0.05: v1(3.17,74.17) 3.89,74.17 3.96,74.1 3.96,66.58 4.51,66.03 v1(5.01,66.03)
M38_RESET: length 81.5
  FC2 w0.05: REF**#172.1 14.64,36.15 14.31,35.82 14.31,34.85 14.01,34.55 13.29,34.55 12.7,33.96 v2(11.84,33.96) ; v1(1.55,62.44) 1.58,62.41 v2(3.56,62.41) ; REF**#124.4 5.81,33.49 6.71,32.59 8.89,32.59 v2(9.09,32.79)
  FC2 w0.08: REF**#124.4 3.91,33.49 3.63,33.21 3.63,33.05 3.37,32.79 REF**#209.2 2.4,32.79 1.5,33.69 1.5,47.71 v2(2.42,48.63)
  FC2 w0.3: U48.25 3.64,62.49 v2(3.56,62.41)
  FC1 w0.05: v2(2.42,48.63) 2.42,53.78 3.59,54.95 3.59,62.38 v2(3.56,62.41) 3.56,65.63 2.8,66.39 2.8,67.72 2.94,67.86 2.94,71.41 3.64,72.11 3.64,72.92 2.3,74.26 2.3,75.54 1.87,75.97 1.87,78.08 2.07,78.28 2.07,80.73 2.63,81.29 v1(4.02,81.29) ; v2(9.09,32.79) 9.49,33.19 11.47,33.19 11.84,33.56 v2(11.84,33.96)
  BC1 w0.05: v11(4.69,83.15) 4.69,81.96 v1(4.02,81.29)
  BC2 w0.05: v1(1.55,62.44) 1.55,62.95 2.03,63.43 3.02,63.43 3.11,63.34 4.02,63.34 4.16,63.48 6.44,63.48 7.2,64.24 REF**#622.1
M38_SEG00: length 30.2
  FC2 w0.05: v2(19.9,56.27) 19.9,55.41 21.63,53.68 v2(24.73,53.68) ; v2(15.54,56.73) 16.8,56.73 v2(17.17,57.1) ; v2(14.99,56.74) 14.17,56.74 13.39,55.96 U48.54
  FC1 w0.05: v2(24.73,53.68) 24.73,51.33 v1(25.99,50.07) ; v2(14.99,56.74) 15.53,56.74 v2(15.54,56.73) ; v2(19.9,56.27) 18.81,57.36 18.21,57.36 17.95,57.1 v2(17.17,57.1)
  BC2 w0.05: 32.4,52.83 REF**#717.2
  BC2 w0.08: 32.4,52.83 32.6,52.83 32.76,52.67 32.76,51.43 32.3,50.97 29.48,50.97 28.58,50.07 v1(25.99,50.07)
M38_SEG0: length 84.2
  FC2 w0.05: v2(16.39,58.6) 16.39,58.66 17.22,59.49 U48.70
  FC1 w0.05: 16.39,58.06 16.39,58.12 ; 16.39,58.06 16.39,58.59 ; 16.39,58.06 16.39,57.76 16.54,57.61 16.54,56.21 16.48,56.15 16.48,53.72 16.55,53.64 16.55,43.49 16.52,43.46 16.52,40.65 17.93,39.23 17.93,35.34 17.37,34.78 17.37,32.2 17.37,32.2 17.37,31.88 17.62,31.63 17.62,30.25 18.01,29.85 18.01,9.61 19.15,8.47 19.15,4.03 20.68,2.5 41.19,2.5 41.67,2.02 U50.1
M38_SEG01: length 39.4
  FC1 w0.05: v1(13.23,42.23) 13.23,42.87 13.5,43.14 13.5,51.83 12.89,52.44 v2(12.89,53.04)
  BC2 w0.08: v1(13.23,42.23) 13.56,42.23 14.85,43.52 19.81,43.52 20.69,42.64 25.02,42.64 25.57,43.19 25.57,45.33 25.43,45.47 25.43,47.99 25.73,48.29 27.53,48.29 30,50.76 32.43,50.76 32.75,51.08 33.19,51.08 33.39,51.28 REF**#559.1
M38_SEG1: length 86.8
  FC2 w0.3: v2(17.25,58.96) 17.28,58.99 U48.69
  FC1 w0.05: v1(18.66,6.89) 18.13,6.89 17.81,7.21 17.81,29.62 17.43,30 17.43,31.61 17.18,31.86 17.18,34.9 17.73,35.45 17.73,39.11 16.35,40.49 16.35,57.34 16.1,57.59 16.1,58.78 16.24,58.92 17.21,58.92 v2(17.25,58.96)
  BC2 w0.05: U50.2 45.57,2.55 45.29,2.83 42.85,2.83 42.71,2.69 20.62,2.69 18.79,4.52 18.79,6.29 18.66,6.42 v1(18.66,6.89)
M38_SEG2: length 108.4
  FC2 w0.05: v2(20.39,42.66) 20.37,42.64 16.82,42.64 16.02,41.84 v2(15.63,41.84) ; v2(11.5,45.31) 13.5,45.31 14.17,44.64 14.17,44.29 v2(14.92,43.54)
  FC1 w0.05: v2(18.44,58.49) 20.21,56.72 20.21,48 21.6,46.61 21.6,43.87 v2(20.39,42.66) ; v6(9.48,36.39) 9.48,38.91 11.5,40.93 v2(11.5,45.31) ; v2(14.92,43.54) 14.92,42.88 14.5,42.46 14.5,42.07 14.8,41.77 15.1,41.77 15.17,41.84 v2(15.63,41.84)